# Allegro board RK_EVB1_RK3576_LP4XD200P132SD6_V12_20240530YWQ.brd (continued)
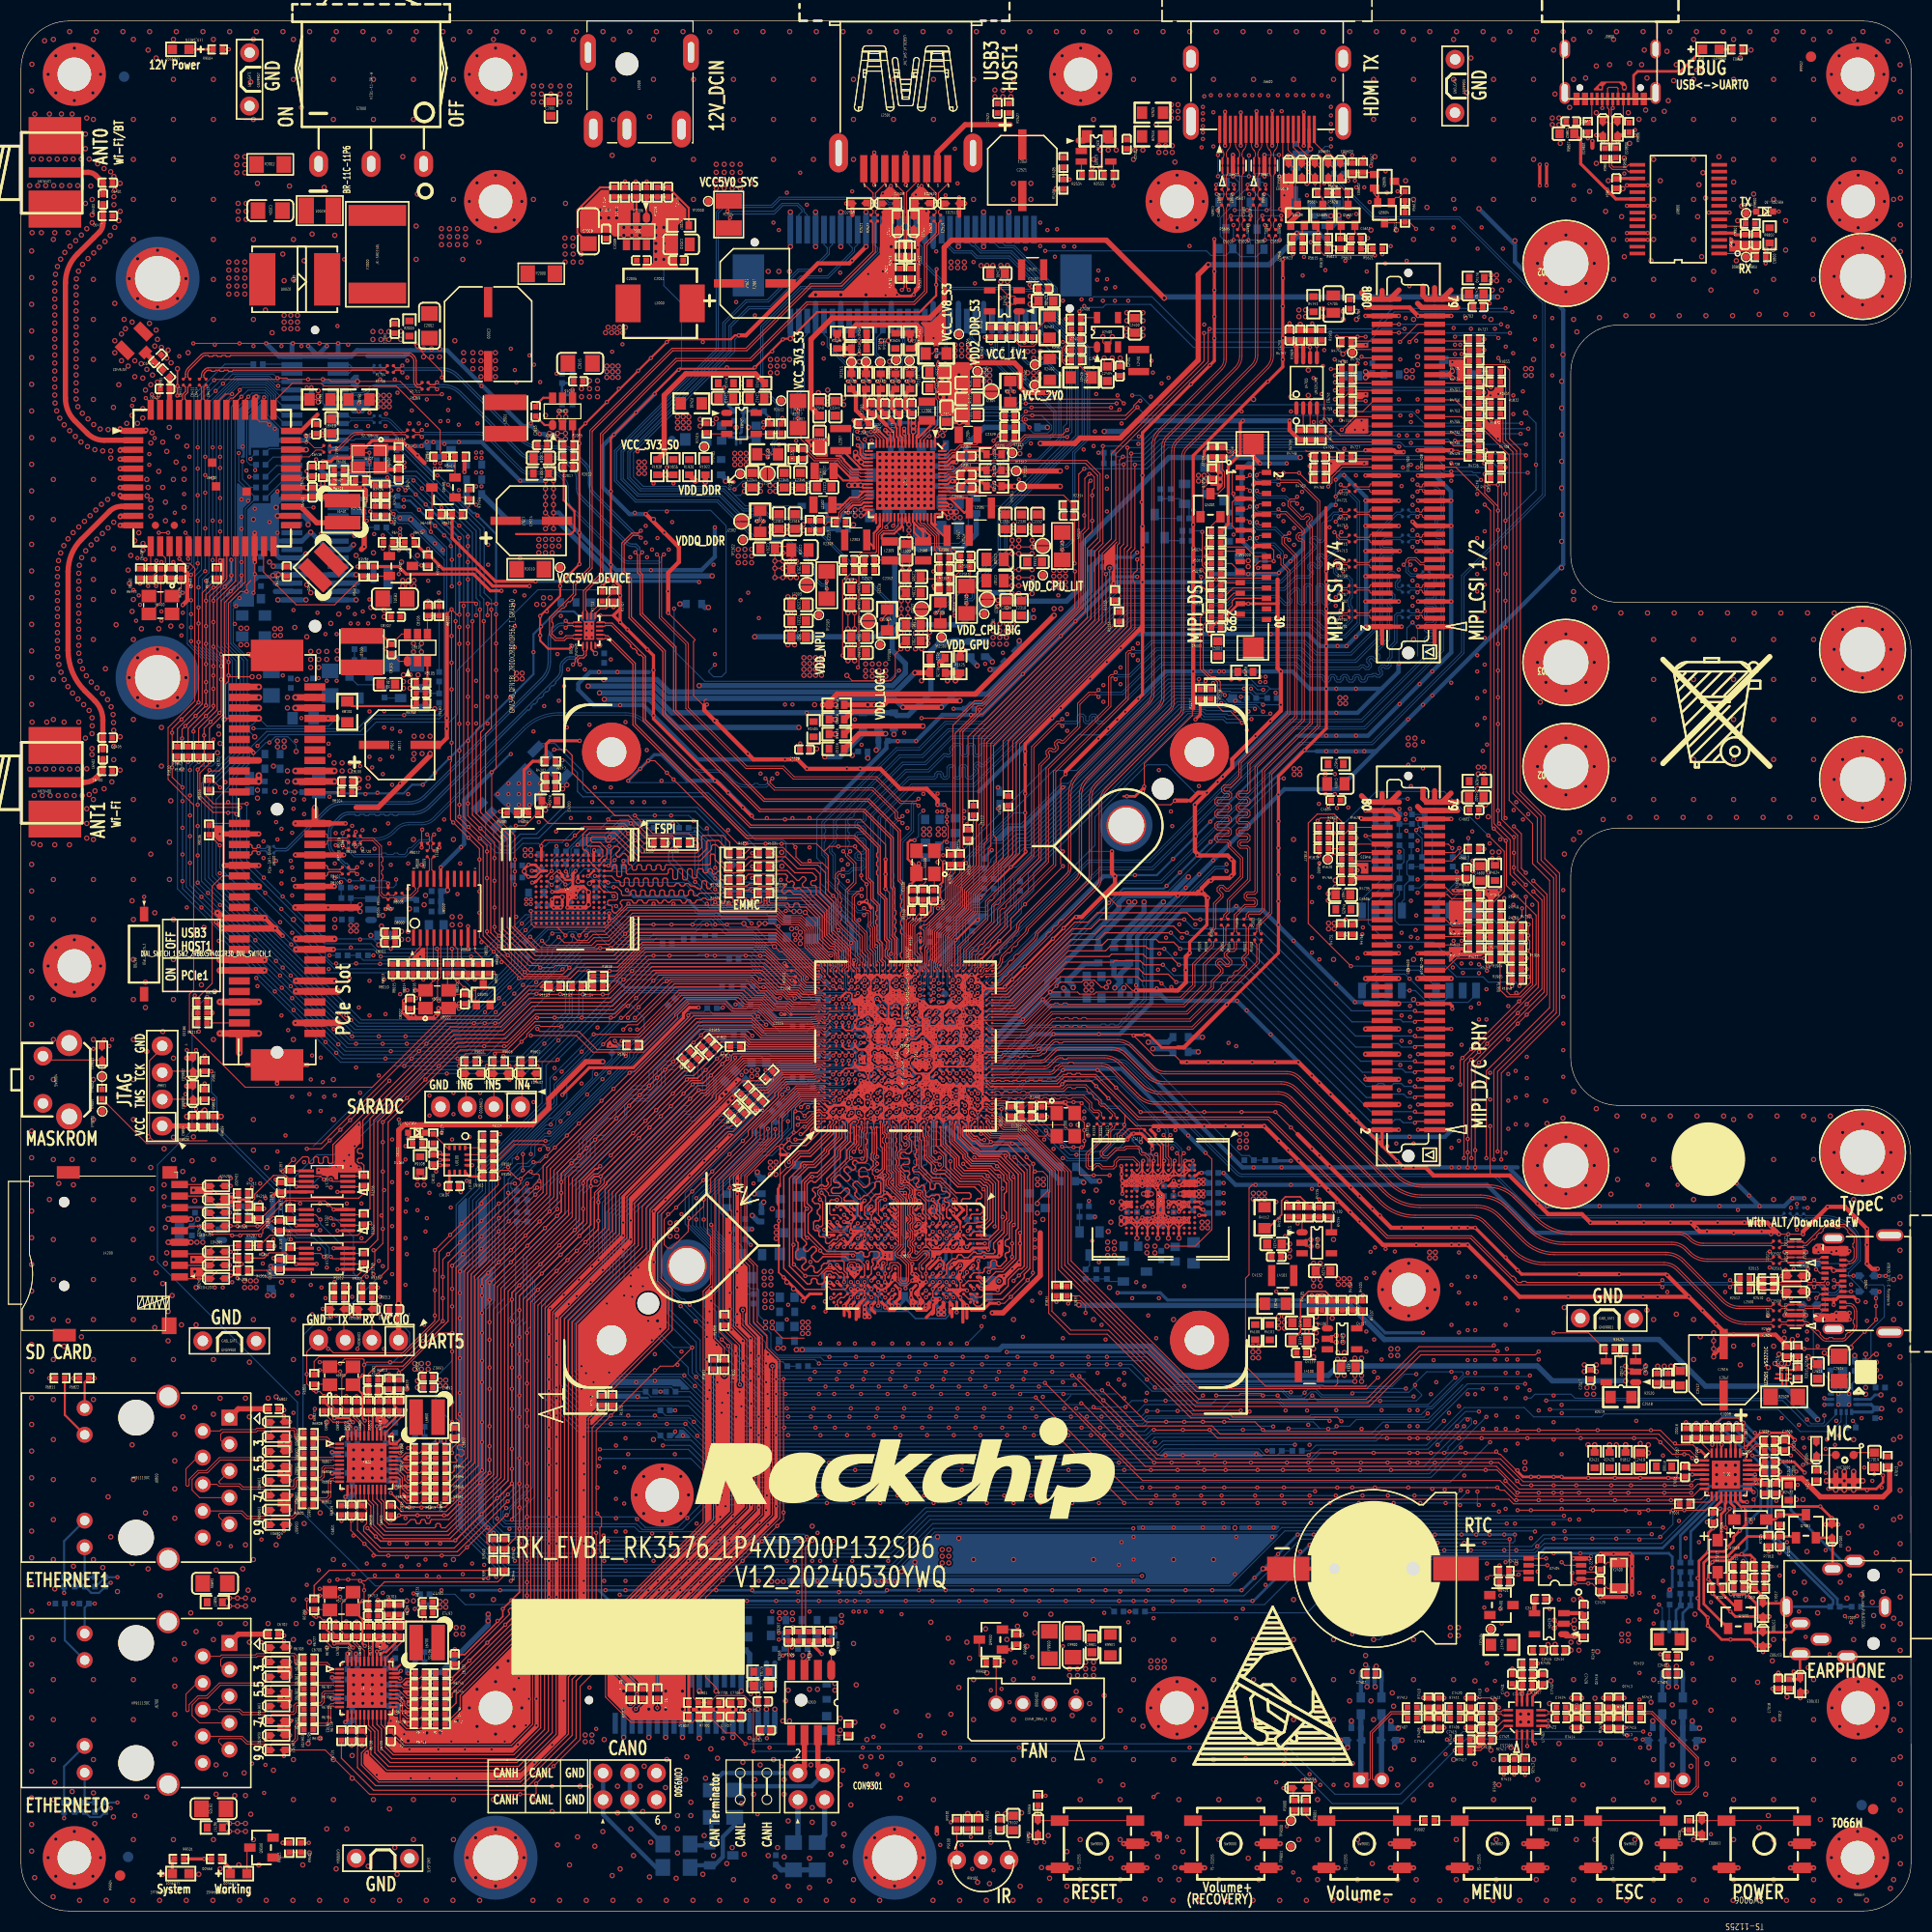
[diagram p0: board, top side]
## Placement (name value [footprint] x y rotation side) (continued)
R5027  100K  [R0402]  111.04 130.5 0 bottom
R5600  590R  [R0201]  119.77 161.05 0 top
R5601  590R  [R0201]  118.58 161.05 180 top
R5602  590R  [R0201]  115.27 163.97 0 top
R5603  590R  [R0201]  114.07 163.97 180 top
R5604  590R  [R0201]  116.77 161.05 0 top
R5605  590R  [R0201]  115.57 161.05 180 top
R5606  590R  [R0201]  118.27 163.97 0 top
R5607  590R  [R0201]  117.08 163.97 180 top
R5608  0R  [R0402]  123.68 160.47 180 bottom
R5609  NC/0R  [R0402]  123.68 161.44 180 bottom
R5610  NC/0R  [R0402]  121.38 164.44 90 bottom
R5611  47K  [R0402]  131.81 161.31 270 top
R5612  47K  [R0402]  131.81 163.32 90 top
R5613  20K  [R0402]  123.98 159.31 0 top
R5614  1.8K  [R0402]  123.93 163.62 180 top
R5615  100R  [R0402]  123.98 158.28 0 top
R5616  1.2K  [R0402]  126.79 166.02 90 top
R5617  47K  [R0402]  127.8 166.02 90 top
R5618  0R  [R0402]  125.64 158.81 90 top
R5619  20K  [R0402]  127.17 158.3 0 top
R5620  1.8K  [R0402]  125.88 163.62 0 top
R5621  100R  [R0402]  129.2 158.3 180 top
R5622  27K  [R0402]  121.57 159.3 0 top
R5623  100R  [R0402]  121.58 158.3 0 top
R6400  0R  [R0402]  14.29 127.38 90 top
R6401  0R  [R0402]  18.65 127.38 90 top
R6402  0.02R  [R0805]  32.19 143.96 180 top
R6403  NC/0R  [R0402]  30.27 137.23 180 top
R6404  NC/0.02R  [R0805]  28.47 143.96 0 top
R6405  22R  [R0402]  30.27 136.25 180 top
R6406  NC  [R0402]  28.75 137.1 90 top
R6407  470K  [R0402]  35.98 138.91 90 top
R6408  47K  [R0402]  39.48 133.04 180 top
R6409  47K  [R0402]  38.75 128.6 270 top
R6410  10K  [R0402]  11.34 127.38 90 top
R6411  100K  [R0402]  41.51 133.04 0 top
R6412  100K  [R0402]  37 130.35 180 top
R6413  12K  [R0402]  12.36 127.38 270 top
R6414  47K  [R0402]  41.78 138.5 180 top
R6415  47K  [R0402]  33.57 127.59 270 top
R6416  100K  [R0402]  42.71 134.94 90 top
R6417  100K  [R0402]  34.96 130.35 180 top
R6418  NC/47K  [R0402]  39.87 138.5 0 top
R6419  NC/47K  [R0402]  32.6 127.59 270 top
R6500  0R  [R0402]  22.58 147.32 180 bottom
R6501  0R  [R0201]  33.91 142.39 180 bottom
R6502  0R  [R0201]  33.91 141.75 180 bottom
R6503  NC/10K  [R0402]  35.85 134.3 90 bottom
R6504  NC/10K  [R0402]  35.77 138.69 90 bottom
R6505  0R  [R0402]  34.34 140.2 180 bottom
R6506  0R  [R0402]  34.34 139.18 180 bottom
R6507  0R  [R0402]  34.34 138.17 180 bottom
R6508  0R  [R0402]  34.34 137.15 180 bottom
R6509  0R  [R0402]  34.34 134.82 180 bottom
R6510  0R  [R0603]  35.73 124.91 180 bottom
R6511  0.02R  [R0805]  23.23 122.38 270 bottom
R6512  NC/0.02R  [R0805]  21.07 122.38 270 bottom
R6513  22R  [R0402]  33.74 133.36 270 top
R6514  NC/0R  [R0402]  34.72 133.36 270 top
R6515  0R  [R0402]  34.34 133.8 180 bottom
R6516  0R  [R0402]  34.34 131.77 180 bottom
R6517  0R  [R0402]  34.34 132.79 180 bottom
R6518  0R  [R0402]  22.83 135.58 0 bottom
R6519  0R  [R0402]  22.83 136.59 0 bottom
R6520  0R  [R0402]  22.83 137.74 0 bottom
R6521  0R  [R0402]  22.83 138.88 0 bottom
R6522  0R  [R0402]  22.83 134.56 0 bottom
R6700  0R  [R0402]  27.38 17.29 180 top
R6701  0R  [R0402]  27.38 18.25 180 top
R6702  0R  [R0402]  30.98 26.62 90 top
R6703  0R  [R0402]  27.38 19.22 180 top
R6704  0R  [R0402]  27.38 20.18 180 top
R6705  0R  [R0402]  27.38 21.15 180 top
R6706  0R  [R0402]  27.38 22.11 180 top
R6707  0R  [R0402]  27.38 23.08 180 top
R6708  0R  [R0402]  27.38 24.04 180 top
R6709  0R  [R0402]  27.92 29.16 270 top
R6710  NC/100R  [R0402]  33.1 26.62 270 top
R6711  510R  [R0402]  3.72 29.28 0 bottom
R6712  510R  [R0402]  7.05 9.88 90 bottom
R6713  NC/120R  [R0402]  33.55 29.12 0 top
R6714  NC/510R  [R0402]  6.09 9.88 90 bottom
R6715  0R  [R0402]  5.12 9.88 90 bottom
R6716  NC/0R  [R0402]  4.1 9.88 90 bottom
R6717  1M  [R0603]  18.46 7.95 180 top
R6718  4.7K  [R0402]  36.03 26.62 270 top
R6719  NC/4.7K  [R0402]  35.05 28.68 90 top
R6720  NC/4.7K  [R0402]  35.05 26.62 270 top
R6721  4.7K  [R0402]  8.02 9.88 90 bottom
R6722  4.7K  [R0402]  6.01 29.28 0 bottom
R6723  NC/4.7K  [R0402]  37.99 18.77 0 top
R6724  4.7K  [R0402]  37.99 18.77 180 bottom
R6725  NC/4.7K  [R0402]  37.99 20.7 0 top
R6726  4.7K  [R0402]  37.99 20.7 180 bottom
R6727  2.49K  [R0402]  28.88 26.62 270 top
R6728  4.7K  [R0402]  37.99 19.73 0 top
R6729  NC/4.7K  [R0402]  37.99 19.73 180 bottom
R6730  NC/0R  [R0402]  37.99 22.73 180 bottom
R6731  4.7K  [R0402]  36.01 28.68 90 top
R6732  NC/4.7K  [R0402]  37.99 17.8 0 top
R6733  NC/0R  [R0402]  37.99 23.69 180 bottom
R6734  4.7K  [R0402]  37.99 17.8 180 bottom
R6735  4.7K  [R0402]  37.99 22.63 0 top
R6736  4.7K  [R0402]  37.99 21.66 0 top
R6737  0R  [R0402]  37.99 24.66 180 bottom
R6738  1.8K  [R0402]  32.48 16.7 270 top
R6739  0R  [R0402]  30.51 16.7 90 top
R6740  22R  [R0402]  39.94 20.7 0 top
R6741  22R  [R0402]  39.94 19.73 0 top
R6742  22R  [R0402]  39.94 18.77 0 top
R6743  22R  [R0402]  39.94 17.8 0 top
R6744  22R  [R0402]  39.94 22.63 0 top
R6745  22R  [R0402]  39.94 21.66 0 top
R6800  0R  [R0402]  27.38 38.75 180 top
R6801  0R  [R0402]  30.98 48.08 90 top
R6802  0R  [R0402]  27.38 40.68 180 top
R6803  0R  [R0402]  27.38 39.71 180 top
R6804  0R  [R0402]  27.38 41.64 180 top
R6805  0R  [R0402]  27.38 42.61 180 top
R6806  0R  [R0402]  27.38 43.57 180 top
R6807  0R  [R0402]  27.38 44.54 180 top
R6808  0R  [R0402]  27.38 45.5 180 top
R6809  0R  [R0402]  27.92 50.62 270 top
R6810  NC/100R  [R0402]  33.1 48.08 270 top
R6811  510R  [R0402]  3.72 50.74 0 top
R6812  NC/510R  [R0402]  7.05 31.34 90 bottom
R6813  NC/120R  [R0402]  33.55 50.58 0 top
R6814  510R  [R0402]  6.09 31.34 90 bottom
R6815  NC/0R  [R0402]  5.12 31.34 90 bottom
R6816  0R  [R0402]  4.1 31.34 90 bottom
R6817  1M  [R0603]  18.46 29.41 180 top
R6818  NC/4.7K  [R0402]  36.03 48.08 270 top
R6819  4.7K  [R0402]  35.05 50.15 90 top
R6820  4.7K  [R0402]  35.05 48.08 270 top
R6821  NC/4.7K  [R0402]  8.02 31.34 90 bottom
R6822  4.7K  [R0402]  6.01 50.74 0 top
R6823  NC/4.7K  [R0402]  37.99 40.23 0 top
R6824  4.7K  [R0402]  37.99 40.23 180 bottom
R6825  NC/4.7K  [R0402]  37.99 42.16 0 top
R6826  4.7K  [R0402]  37.99 42.16 180 bottom
R6827  2.49K  [R0402]  28.88 48.08 270 top
R6828  4.7K  [R0402]  37.99 41.2 0 top
R6829  NC/4.7K  [R0402]  37.99 41.2 180 bottom
R6830  NC/0R  [R0402]  37.99 44.19 180 bottom
R6831  4.7K  [R0402]  36.01 50.15 90 top
R6832  NC/4.7K  [R0402]  37.99 39.27 0 top
R6833  4.7K  [R0402]  37.99 39.27 180 bottom
R6834  0R  [R0402]  37.99 45.16 180 bottom
R6835  4.7K  [R0402]  37.99 44.09 0 top
R6836  4.7K  [R0402]  37.99 43.13 0 top
R6837  0R  [R0402]  37.99 46.12 180 bottom
R6838  1.8K  [R0402]  32.48 38.17 270 top
R6839  0R  [R0402]  30.51 38.17 90 top
R6840  22R  [R0402]  39.94 42.16 0 top
R6841  22R  [R0402]  39.94 41.2 0 top
R6842  22R  [R0402]  39.94 40.23 0 top
R6843  22R  [R0402]  39.94 39.27 0 top
R6844  22R  [R0402]  39.94 44.09 0 top
R6845  22R  [R0402]  39.94 43.13 0 top
R7000  0R  [R0603]  156.48 42.33 0 top
R7001  0R  [R0402]  158.41 38.78 0 top
R7002  22R  [R0402]  158.57 45.51 270 top
R7003  22R  [R0402]  160.53 45.51 270 top
R7004  0R  [R0402]  174.79 28.98 0 bottom
R7005  470R  [R0402]  167.49 37.26 270 top
R7006  470R  [R0402]  161.53 30.77 180 top
R7007  2.2K  [R0402]  163.57 30.83 180 top
R7008  100R  [R0402]  163.57 32.81 0 top
R7009  100K  [R0402]  165.59 30.71 0 top
R7010  300K  [R0402]  166.44 35.22 90 top
R7011  100K  [R0402]  165.59 32.81 180 top
R7012  1K  [R0402]  168.41 21.62 90 top
R7013  100R  [R0402]  177.77 42.83 90 top
R7014  0R  [R0402]  170.98 41.47 270 top
R7400  100K  [R0402]  127.29 29.63 90 bottom
R7401  100K  [R0402]  129.33 30.68 270 bottom
R7402  100K  [R0402]  130.32 30.68 270 bottom
R7403  100K  [R0402]  158.03 30.68 270 bottom
R7404  100K  [R0402]  159.02 30.68 270 bottom
R7405  0R  [R0402]  143.47 23.57 180 top
R7406  3.3K  [R0402]  136.56 18.36 180 top
R7407  2.2K  [R0402]  132.49 18.36 180 top
R7408  390R  [R0402]  134.06 17.91 270 top
R7409  10K  [R0402]  141.23 14 90 top
R7410  390R  [R0402]  134.06 19.84 270 top
R7411  3.3K  [R0402]  136.56 19.39 180 top
R7412  2.2K  [R0402]  132.49 19.39 180 top
R7413  22R  [R0402]  143.23 14 90 top
R7414  3.3K  [R0402]  149.69 18.36 0 top
R7415  2.2K  [R0402]  153.75 18.36 0 top
R7416  390R  [R0402]  152.18 17.91 270 top
R7417  0R  [R0402]  137.55 15.29 0 top
R7418  0R  [R0402]  137.55 16.33 0 top
R7419  390R  [R0402]  152.18 19.84 270 top
R7420  3.3K  [R0402]  149.69 19.39 0 top
R7421  2.2K  [R0402]  153.75 19.39 0 top
R7700  22R  [R0402]  66.03 18.51 0 top
R7701  22R  [R0402]  66.03 19.85 0 top
R7702  0.1R  [R0603]  72.13 27.7 180 bottom
R7703  NC/0R  [R0603]  70.51 22.8 180 top
R7704  0.1R  [R0603]  68.57 27.7 0 bottom
R7705  22R  [R0402]  60.39 25.17 270 bottom
R7706  22R  [R0402]  60.6 20.7 90 top
R7707  22R  [R0402]  58.99 25.17 270 bottom
R7708  22R  [R0402]  58.06 20.7 90 top
R7709  22R  [R0402]  57.97 25.17 270 bottom
R7710  22R  [R0402]  59.2 20.7 90 top
R8004  49.9R  [R0201]  34.97 97.18 270 top
R8005  49.9R  [R0201]  34.97 96.05 90 top
R8006  33R  [R0201]  35.99 96.93 180 top
R8007  33R  [R0201]  35.99 96.3 180 top
R8008  33R  [R0201]  38.68 100.7 90 top
R8009  33R  [R0201]  39.32 100.7 90 top
R8010  100K  [R0402]  36.38 89.74 90 top
R8011  49.9R  [R0201]  39.57 101.67 0 top
R8012  49.9R  [R0201]  38.43 101.67 180 top
R8013  NC/10K  [R0402]  35.42 89.74 90 top
R8014  NC/10K  [R0402]  38.31 89.74 90 top
R8015  100K  [R0402]  37.35 89.74 90 top
R8016  0R  [R0402]  39.28 89.74 90 top
R8019  22R  [R0402]  40.62 89.74 90 top
R8020  4.7K  [R0402]  41.59 89.74 90 top
R8025  NC/100K  [R0402]  42.56 89.74 90 top
R8028  0R  [R0402]  43.52 89.74 270 top
R8029  470R  [R0402]  44.49 89.74 270 top
R8034  2.2R  [R0402]  39.55 95.19 0 bottom
R8035  10K  [R0402]  30.97 96.47 0 bottom
R8036  NC  [R0402]  30.97 95.44 180 bottom
R8100  0.02R  [R0805]  31.08 114.2 270 top
R8101  232K  [R0402]  38.08 115 0 top
R8102  10K  [R0402]  39.82 123.82 270 top
R8103  0R  [R0402]  17.92 107.25 270 top
R8104  0R  [R0402]  31.07 106.59 0 top
R8105  49.9K  [R0402]  38.08 116.95 180 top
R8106  0R  [R0402]  17.92 102.95 90 top
R8107  0R  [R0201]  30.89 99.4 0 top
R8108  0R  [R0402]  17.27 86.53 180 top
R8109  0R  [R0201]  30.89 98.76 0 top
R8110  NC/10K  [R0402]  17.27 85.54 180 top
R8111  0R  [R0402]  17.27 84.56 0 top
R8112  0.02R  [R0805]  26.87 113.59 180 bottom
R8113  100K  [R0402]  32.21 120.18 180 bottom
R8114  0R  [R0201]  31.48 102.4 180 top
R8115  10K  [R0402]  34.62 116.02 270 bottom
R8116  0R  [R0201]  31.48 101.76 180 top
R8117  10K  [R0402]  39.83 117.55 270 bottom
R8118  51K  [R0402]  39.83 115.51 270 bottom
R8119  NC/0R  [R0201]  31.2 102.67 270 top
R8120  NC/0R  [R0201]  31.2 101.49 90 top
R8123  0R  [R0603]  23.95 108.78 180 bottom
R8124  NC/0R  [R0603]  23.95 110.18 180 bottom
R9000  100R  [R0402]  121.28 10.08 270 top
R9001  3K  [R0402]  122.37 10.08 270 top
R9002  6.8K  [R0402]  134.15 8.61 0 top
R9003  12K  [R0402]  146.85 8.61 0 top
R9004  100R  [R0402]  7.71 77.8 90 top
R9005  100R  [R0402]  96.86 10.53 270 top
R9006  100R  [R0402]  158.87 8.16 90 top
R9100  10K  [R0402]  90.16 8.26 270 top
R9101  22R  [R0402]  89.14 8.26 270 top
R9102  22R  [R0402]  91.18 8.26 90 top
R9104  NC/10K  [R0402]  44.49 72.87 180 top
R9105  10K  [R0402]  44.49 73.84 0 top
R9106  0R  [R0402]  44.49 71.91 180 top
R9107  0R  [R0402]  44.49 70.94 180 top
R9108  0R  [R0603]  38.01 71.12 90 top
R9109  10K  [R0402]  39.26 73.56 90 top
R9110  NC/0R  [R0402]  37.74 73.1 0 top
R9300  NC/0.1R  [R0603]  77.37 26.98 90 bottom
R9301  2.2R  [R1206]  67.97 10.22 270 bottom
R9302  2.2R  [R1206]  65.75 10.22 270 bottom
R9303  0.1R  [R0603]  76.73 20.88 270 bottom
R9304  0.1R  [R0603]  75.1 27.7 180 bottom
R9305  4.7K  [R0402]  75.03 26.16 90 top
R9306  22R  [R0402]  75.99 26.16 270 top
R9307  60.4R  [R1206]  75.83 5.22 270 bottom
R9308  22R  [R0402]  74.06 26.16 270 top
R9309  60.4R  [R1206]  73.57 5.22 270 bottom
R9310  4.7K  [R0402]  78.79 17.25 90 top
R9311  4.7K  [R0402]  32.97 59.38 180 top
R9312  4.7K  [R0402]  30.3 59.38 180 top
R9313  100R  [R0402]  32.97 58.41 0 top
R9314  100R  [R0402]  30.3 58.41 0 top
R9315  0R  [R1206]  62.42 4.15 180 bottom
R9316  0R  [R1206]  62.42 6.37 180 bottom
R9500  4.7K  [R0402]  18.58 4.96 0 top
R9501  2.2K  [R0402]  15.05 4.96 180 top
R9502  10K  [R0402]  26.64 6.04 270 top
R9503  51K  [R0402]  25.54 6.04 90 top
R9504  10K  [R0402]  18.73 177.3 180 top
R9600  NC  [R0402]  67.22 88.08 0 bottom
R9601  10K  [R0402]  69.24 88.08 0 bottom
R9602  100R  [R0402]  48.15 80.9 180 top
R9603  100R  [R0402]  45.49 80.9 180 top
R9604  100R  [R0402]  42.82 80.9 180 top
R9800  10K  [R0402]  164.69 160.71 180 top
R9801  22R  [R0402]  165.72 157.52 180 top
R9802  0.1R  [R0603]  166.54 159.58 90 top
R9803  2.2K  [R0402]  163.46 177.3 0 top
R9804  22R  [R0402]  150.87 167.44 90 top
R9805  22R  [R0402]  151.89 167.44 90 top
R9806  5.1K  [R0402]  153.16 169.87 90 top
R9807  5.1K  [R0402]  149.22 169.87 90 top
R9808  0R  [R0402]  17.33 75.22 270 top
R9809  NC/0R  [R0402]  18.33 75.22 270 top
R9810  10K  [R0402]  17.49 77.76 270 top
R9811  10K  [R0402]  17.49 80.43 90 top
R9900  22R  [R0402]  92.37 23.66 0 top
R9901  0R  [R0805]  103.75 25.34 90 top
R9902  10K  [R0402]  94.78 25.85 90 top
S1700  Dial_Switch_1  [SW2_2R88X5R40X2R30]  11.72 91.13 0 top
S2000  KCD1-11-3P-W  [SW3_KCD1-11-3P-W]  33.35 166.4 180 top
SMTSO4600  SMTSO3050CTJ  [SMTSO_M3_C4R1_C6R0_L5R0]  175.38 107.77 270 top
SMTSO4601  SMTSO3050CTJ  [SMTSO_M3_C4R1_C6R0_L5R0]  175.38 72.24 270 top
SMTSO4602  SMTSO3050CTJ  [SMTSO_M3_C4R1_C6R0_L5R0]  147.13 109 180 top
SMTSO4603  SMTSO3050CTJ  [SMTSO_M3_C4R1_C6R0_L5R0]  147.13 71 180 top
SMTSO4700  SMTSO3050CTJ  [SMTSO_M3_C4R1_C6R0_L5R0]  175.38 120.15 270 top
SMTSO4701  SMTSO3050CTJ  [SMTSO_M3_C4R1_C6R0_L5R0]  175.38 155.68 270 top
SMTSO4702  SMTSO3050CTJ  [SMTSO_M3_C4R1_C6R0_L5R0]  147.13 156.92 180 top
SMTSO4703  SMTSO3050CTJ  [SMTSO_M3_C4R1_C6R0_L5R0]  147.13 118.91 180 top
SMTSO6500  SMTSO3050CTJ  [SMTSO_M3_C4R1_C6R0_L5R0#2]  13.01 155.47 0 bottom
SMTSO6501  SMTSO3050CTJ  [SMTSO_M3_C4R1_C6R0_L5R0#2]  13.01 117.47 0 bottom
SMTSO7700  SMTSO3050CTJ  [SMTSO_M3_C4R1_C6R0_L5R0#2]  83.2 5.08 90 bottom
SMTSO7701  SMTSO3050CTJ  [SMTSO_M3_C4R1_C6R0_L5R0#2]  45.2 5.08 90 bottom
SW1800  Dial_Switch_4  [SW8_5R68X5R40X2R30]  129.61 91.47 180 bottom
SW1801  Dial_Switch_4  [SW8_5R68X5R40X2R30]  136.67 91.47 180 bottom
SW9000  TS-1125S  [SW5_6R20X6R20X2R50]  115.22 6.41 180 top
SW9001  TS-1125S  [SW5_6R20X6R20X2R50]  127.92 6.41 180 top
SW9002  TS-1125S  [SW5_6R20X6R20X2R50]  140.62 6.41 180 top
SW9003  TS-1125S  [SW5_6R20X6R20X2R50]  153.32 6.41 180 top
SW9004  TS-1138V1  [SW4_6R50X7R00X7R10]  3.34 79.17 270 top
SW9005  TS-1125S  [SW5_6R20X6R20X2R50]  102.52 6.41 180 top
SW9006  TS-1125S  [SW5_6R20X6R20X2R50]  166.02 6.41 180 top
TP1100  TP_0.7  [TP_0R70]  87.98 87.35 180 bottom
TP1400  TP_0.7  [TP_0R70]  92.12 82.11 270 bottom
TP1401  TP_0.7  [TP_0R70]  92.37 83.89 270 bottom
TP2000  TP_0.7  [TP_0R70]  65.46 162.83 180 top
TP2001  TP_0.7  [TP_0R70]  51.35 127.96 90 top
TP2300  TP_0.7  [TP_0R70]  87.67 121.31 90 top
TP2301  TP_0.7  [TP_0R70]  91.73 123.53 90 top
TP2302  TP_0.7  [TP_0R70]  68.75 130.58 90 top
TP2303  TP_0.7  [TP_0R70]  75.99 123.43 90 top
TP2304  TP_0.7  [TP_0R70]  91.1 146.64 90 top
TP2305  TP_0.7  [TP_0R70]  97.32 127.23 90 top
TP2306  TP_0.7  [TP_0R70]  89.32 150.17 90 top
TP2307  TP_0.7  [TP_0R70]  72.39 143.84 0 top
TP2308  TP_0.7  [TP_0R70]  68.49 136.88 90 top
TP2309  TP_0.7  [TP_0R70]  81.83 120.6 90 top
TP2310  TP_0.7  [TP_0R70]  94.78 137.14 90 top
TP2311  TP_0.7  [TP_0R70]  95.29 135.68 270 top
TP2312  TP_0.7  [TP_0R70]  94.4 138.87 90 top
TP2313  TP_0.7  [TP_0R70]  79.08 147.52 90 top
TP2314  TP_0.7  [TP_0R70]  80.48 147.54 90 top
TP2315  TP_0.7  [TP_0R70]  81.83 147.52 90 top
TP2316  TP_0.7  [TP_0R70]  83.35 147.72 90 top
TP2317  TP_0.7  [TP_0R70]  84.62 147.65 90 top
TP2318  TP_0.7  [TP_0R70]  81.27 141.4 180 bottom
TP2400  TP_0.7  [TP_0R70]  96.54 145.32 90 top
TP2401  TP_0.7  [TP_0R70]  96.56 147.27 90 top
TP2402  TP_0.7  [TP_0R70]  62 140.15 180 bottom
TP2403  TP_0.7  [TP_0R70]  65.06 139.45 90 top
TP2404  TP_0.7  [TP_0R70]  139.98 26.86 90 top
TP4600  TP_0.7  [TP_0R70]  124.46 100.16 0 top
TP4700  TP_0.7  [TP_0R70]  126.79 148.41 90 top
TP9000  TP_0.7  [TP_0R70]  120.94 8.61 90 top
TP9001  TP_0.7  [TP_0R70]  120.94 6.17 90 top
TP9002  TP_0.7  [TP_0R70]  7.71 79.47 90 top
TP9003  TP_0.7  [TP_0R70]  7.74 76.16 270 top
TP9800  TP_0.7  [TP_0R70]  164.29 157.52 0 top
TP9801  TP_0.7  [TP_0R70]  164.3 161.69 0 top
U1000  RK3576  [BGA698_16R1X17R2X1R08]  84.24 82.37 90 top
U1300  FSUSB30MUX  [MSOP10_3R00X3R00X1R10]  29.15 62.12 90 top
U1301  FSUSB30MUX  [MSOP10_3R00X3R00X1R10]  29.15 69.49 90 top
U1302  FSUSB30MUX  [MSOP10_3R00X3R00X1R10]  29.15 65.8 90 top
U1700  GMA340  [QFN18L_2R00X2R80X0R567_T]  54.11 121.94 180 top
U2000  TMI3255S  [SOT_23_6]  58.61 159.97 270 top
U2001  TMI3253SH  [SOT_23_6]  51.58 142.82 90 top
U2300  RK806S-5  [QFN68_7R00X7R00X0R80_T]  84.24 136.24 270 top
U2400  TMI3112H  [SOT_23_5]  103.48 150.35 90 top
U2401  TMI3112H  [SOT_23_5]  93.66 153.35 180 top
U2402  CW3301  [WLCSP4_0R80X0R80X0R50]  68.31 140.54 0 bottom
U2403  SGM2590D  [SOT_23_5]  68.62 141.68 0 top
U2404  TMI6050-33  [SOT_23_5]  145.54 27.36 180 top
U2405  HYM8563TS  [TSSOP8_3R10X3R10X1R10]  146.08 32.6 180 top
U2500  HUSB311  [MLP14_2R50X2R50X0R80]  173.59 48.73 180 bottom
U2501  WS3221C  [CSP6L_1R25X0R77X0R63]  167.93 51.13 90 top
U2502  SGM2590D  [SOT_23_5]  152.38 51.36 180 top
U2503  SGM2590D  [SOT_23_5]  102.39 167.61 0 top
U3800  LPDDR4_200P  [BGA200_15R00X10R00X0R90]  84.24 62.37 270 top
U4000  EMMC_B153_2L  [BGA153_13RX11R5X0R9_2L]  52.3 97.32 270 top
U4100  UFS_B153  [FBGA153_11R5X13R0X1R00]  108.53 67.8 270 top
U4101  TMI3112H  [SOT_23_5]  125.82 54.49 0 top
U4102  TMI3112H  [SOT_23_5]  123.41 63.64 0 top
U4200  SGM2590D  [SOT_23_5]  20.49 64.89 0 bottom
U4300  NC/SPI_Nand_Flash  [WSON8_8R00X6R00X0R80_T]  47.69 106.62 135 bottom
U4700  UM3212M8  [MSOP8_3R00X3R00X1R10]  122.44 145.54 90 top
U6400  AP6275P  [MD55_WIFI_AP6276P]  18.2 136.47 0 top
U6700  RTL8211F-CG  [QFN40_5R00X5R00X0R90_T]  32.9 21.23 0 top
U6800  RTL8211F-CG  [QFN40_5R00X5R00X0R90_T]  32.9 42.69 0 top
U7000  ES8388  [QFN28_4R00X4R00X0R90_T]  162.38 41.56 0 top
U7400  TCS7191A_MH  [MSOP8_3R10X3R10X1R10]  128.59 24.69 270 bottom
U7401  TCS7191A_MH  [MSOP8_3R10X3R10X1R10]  157.29 24.69 270 bottom
U7402  ES7202  [QFN16_3R00X3R00X0R80_T]  143.2 18.38 90 top
U8000  NC/RS2CG5705BLE  [TSSOP20_6R50X4R40X1R20]  40.3 95.5 90 top
U8001  TMI6050-33  [SOT_23_5]  34.73 95.38 0 bottom
U8100  PCIe-SMT-64PIN  [PCIE64_X4_SMT]  24.39 104.93 270 top
U8101  TMI3253SH  [SOT_23_6]  37.76 120.32 90 top
U9100  ICM-42607-C  [LGA14_3R00X2R50X0R86]  41.55 71.53 270 top
U9300  TCAN1044V-Q1  [SOP8_5R00X4R00X1R75]  75.26 19.85 180 top
U9800  FT232RL  [SSOP28_10R20X5R30X2R00]  157.83 162.08 90 top
Y1100  24MHz  [CRY4_3R20X2R50X0R80]  86.13 99.87 90 top
Y1300  26MHz  [CRY4_3R20X2R50X0R80]  99.5 74.9 270 top
Y2400  32.768KHz  [CRY2_3R20X1R50X0R90]  152.19 31.96 90 top
Y6400  37.4MHz  [CRY4_3R20X2R50X0R80]  13.28 124.38 180 top
Y6401  32.768KHz  [CRY4_3R20X2R50X1R20]  33.16 138.3 180 top
Y6700  NC/25MHz  [CRY4_3R20X2R50X0R80]  30.52 29.52 0 top
Y6800  NC/25MHz  [CRY4_3R20X2R50X0R80]  30.52 50.98 0 top
Y8000  25MHz  [CRY4_3R20X2R50X0R80]  39.63 86.84 0 top

## Library data of the parts
ANT6400 ANT6401 = SMA_1P4G
ANT6402 = ANT_1P2G
C1000-C1007 C1009-C1013 C1015-C1018 C1020-C1024 C1026-C1030 C1032-C1037 C1039 C1040 C1100-C1120 C1200-C1214 C1300-C1309 C1312-C1314 C1400 C1402 C1404-C1406 C1408 C1409 C1500-C1510 C1600-C1603 C1700-C1706 C1800-C1802 C1901 C1903 C2001-C2006 C2008-C2013 C2015-C2019 C2300 C2301 C2304-C2308 C2311-C2313 C2315-C2319 C2323-C2325 C2327-C2332 C2334-C2343 C2345-C2348 C2351-C2372 C2400-C2407 C2410-C2415 C2418-C2421 C2423 C2503-C2507 C2512-C2515 C2518 C2522 C2523 C3801-C3845 C4000-C4002 C4004-C4007 C4100-C4108 C4110-C4127 C4129-C4132 C4200 C4201 C4203 C4204 C4300 C4301 C4600-C4607 C4700-C4707 C4710 C5004-C5007 C6402 C6403 C6408 C6409 C6415 C6418-C6420 C6422-C6424 C6502-C6507 C6702 C6705-C6719 C6721 C6802 C6805-C6819 C6821 C7000-C7006 C7009-C7011 C7015 C7016 C7018-C7020 C7400-C7426 C7429-C7432 C7700 C7701 C7703 C7704 C8000-C8008 C8100-C8106 C8109 C8110 C8112-C8119 C9100-C9105 C9300-C9303 C9305 C9309 C9800-C9805 C9900 C9901 = CAP NP
C1008 C1014 C1031 C1038 C1401 C1403 C1407 C1900 C1902 C2020 C2302 C2303 C2309 C2310 C2314 C2320-C2322 C2326 C2333 C2344 C2349 C2350 C2408 C2409 C2416 C2417 C2422 C3800 C4003 C4109 C4128 C4708 C4709 C6400 C6401 C6404-C6407 C6410 C6421 C6700 C6701 C6703 C6704 C6720 C6722 C6800 C6801 C6803 C6804 C6820 C6822 C7007 C7008 C7014 C7017 C7427 C7428 C7702 C7705-C7707 C8009 C9307 C9308 = CAP NP_NC
C2000 C2007 C2014 C2521 C7012 C7013 C8111 = CAP
C2500-C2502 C2508-C2511 C2517 C2519 C2520 C5600-C5610 C6411-C6414 C6500 C6501 C8107 C8108 = CAP NP: signal model: CAP_NP_C0201_100NF_100nF
C2516 = CAP: signal model: CAP_NP_C0201_100NF_100nF
C5000-C5003 = CAP NP: signal model: CAP_NP_C0201_220NF_220nF
C5611 = CAP NP_NC: signal model: CAP_NP_C0201_100NF_100nF
C6416 C6417 = CAP NP: signal model: CAP_NP_C0201_100PF_100pF
CON4600 CON4700 = 61082-08_2
CON5000 = LCD_Hitachi_TX05D99VM1AAA_2
CON6500 = 61082-061402LF
CON7700 = DigitalAudio_HS_MB_30
CON9300 = CON3_2X3
CON9301 = CON3_2X2
CON9304 CON9600 J9801 = CON4_1X4
CON9700 = PowerMeasurement
CON9900 = CON4_0
D2000 D2301 D5600 D5601 D9100 D9800 = DIODE
D2300 = DIODE ZENER2
D2400 = DIODE Double
ED2500-ED2504 ED2506 ED2508-ED2513 ED4201-ED4207 ED5602-ED5606 ED6700-ED6707 ED6800-ED6807 ED7000-ED7004 ED7400-ED7403 ED9000-ED9003 ED9302 ED9303 ED9600-ED9602 ED9800-ED9803 = DIODE BI_DIR TRIG
ED2505 ED2507 ED5600 ED5601 = ESD_ESD73034D
ED2514 = ESD56161D24
ED9300 = PSM712
F2000 F9900 = FUSE
FB7400-FB7403 = BEAD
GND9900-GND9904 = GND_GATE
H9900-H9914 = Hole
IR9100 = IRM_3638
J2000 = DCJACK_3P
J2300-J2307 = JM_0
J2400 = CON_BATTERY-20MM
J2500 = USB30_TYPE-C Receptacle_0
J2501 = USBA_4
J4200 = TFCard_SOCKET
J5600 = HDMI_A
J6700 J6800 = HR911130C
J7000 = Audio_Jack_PJ8_B2339J
J7400 J7401 = Audio_SPK_Jack_2P
J9800 = USB20_TYPE_C_NEW
J9900 = Radiator_Fan_2
J9901 = Socket_RK3576_EVB
J9902 = Radiator_0
L2000 L2001 L2300-L2309 L2400 L2401 L4100 L4101 L6400 L6401 L6700 L6800 L8100 = INDUCTORS OF FERRITE
L2500 L2501 = INDUCTOR COM
LED9500-LED9502 LED9800 = LED
M9900-M9905 = MARK
MIC7000 = MIC_WMM7037AT6
Q3800 Q3801 Q5600-Q5608 Q7000 Q7001 Q8000 Q9900 = MOSFET N
Q4100 Q5000 Q8100 = MOSFET P
Q4101 Q5001 Q5002 Q6400 Q6401 Q8101 Q9500 = NPN
R1100-R1102 R1104-R1112 R1114-R1123 R1125 R1127 R1128 R1130-R1141 R1146-R1148 R1202 R1300-R1302 R1304 R1306 R1308 R1320 R1323 R1324 R1400-R1407 R1409 R1412 R1500-R1502 R1504-R1507 R1600 R1602 R1700-R1702 R1707 R1712 R1800-R1804 R1806-R1808 R1810 R1812 R1814-R1824 R1826 R1827 R1830 R1832 R1834 R1836 R1841 R1842 R1845-R1847 R1852 R1900 R1902 R1904 R1907-R1911 R1916 R1917 R1920-R1922 R1924-R1927 R1934 R1935 R1937-R1939 R1942 R1943 R1946 R1949 R1951-R1953 R2000-R2002 R2005 R2008 R2012 R2014 R2016 R2300 R2301 R2303-R2307 R2309-R2322 R2324-R2334 R2401-R2403 R2405-R2415 R2417-R2420 R2422-R2427 R2500-R2502 R2514 R2523-R2525 R2529 R2532 R2534 R3806 R3807 R3809-R3811 R4000 R4002 R4003 R4100 R4102 R4103 R4105-R4111 R4113-R4116 R4201-R4203 R4211 R4300-R4302 R4304 R4624-R4627 R4726-R4743 R4745 R4746 R4748 R4749 R4752-R4754 R4756 R4758-R4760 R4762 R4763 R4767 R4768 R5010-R5027 R5600-R5608 R5611-R5623 R6400-R6402 R6405 R6407-R6417 R6500 R6510 R6511 R6513 R6515-R6522 R6702 R6709 R6711 R6712 R6715 R6717 R6718 R6721 R6722 R6724 R6726-R6728 R6731 R6734-R6739 R6800-R6809 R6811 R6814 R6816 R6817 R6819 R6820 R6822 R6824 R6826-R6828 R6831 R6833-R6839 R7000-R7014 R7400-R7405 R7408-R7410 R7413-R7421 R7700-R7702 R7704-R7710 R8004 R8005 R8010-R8012 R8015 R8016 R8019 R8020 R8028 R8034 R8035 R8100-R8106 R8108 R8111-R8113 R8115 R8117 R8118 R8123 R9000-R9006 R9100-R9102 R9105-R9109 R9301-R9316 R9500-R9504 R9601-R9604 R9800-R9803 R9806-R9808 R9810 R9811 R9900-R9902 = RESISTOR5
R1103 R2004 R2006 R2009 R2010 R2015 R2302 R2308 R2404 R2515 R4104 R8029 = RESISTOR1
R1113 R1124 R1126 R1129 R1142 R1200 R1201 R1203 R1360 R1361 R1408 R1410 R1411 R1503 R1805 R1809 R1811 R1825 R1828 R1829 R1831 R1833 R1835 R1837-R1840 R1843 R1844 R1849 R1850 R1853-R1856 R1901 R1903 R1905 R1906 R1923 R1936 R1940 R1941 R1944 R1945 R1947 R1948 R1950 R2003 R2007 R2011 R2013 R2400 R2416 R2421 R2429 R2526-R2528 R2533 R3808 R3812 R4001 R4005 R4006 R4101 R4628 R4744 R4747 R4750 R4751 R4755 R4757 R4761 R4764-R4766 R5609 R5610 R6403 R6404 R6406 R6418 R6419 R6503 R6504 R6512 R6514 R6710 R6713 R6714 R6716 R6719 R6720 R6723 R6725 R6729 R6730 R6732 R6733 R6810 R6812 R6813 R6815 R6818 R6821 R6823 R6825 R6829 R6830 R6832 R7703 R8013 R8014 R8025 R8036 R8110 R8124 R9104 R9110 R9300 R9600 R9809 = RESISTOR5_NC
R1303 R1305 R1307 R1309 R1310 R1313 R1314 R1318 R1319 R1346 R1353-R1355 R1704 R1706 R1709 R1711 R1714 R1716 R1813 R1912-R1915 R1918 R1919 R1928-R1933 R2504-R2507 R2522 R4206-R4210 R4611-R4614 R4616-R4623 R4700-R4723 R5000-R5009 R6501 R6502 R6505-R6509 R6740-R6745 R6840-R6845 R8107 R8109 = RESISTOR5: signal model: RESISTOR5_R0201_0R_0R
